# Allegro board BRD-05058-01_B04.brd (continued)
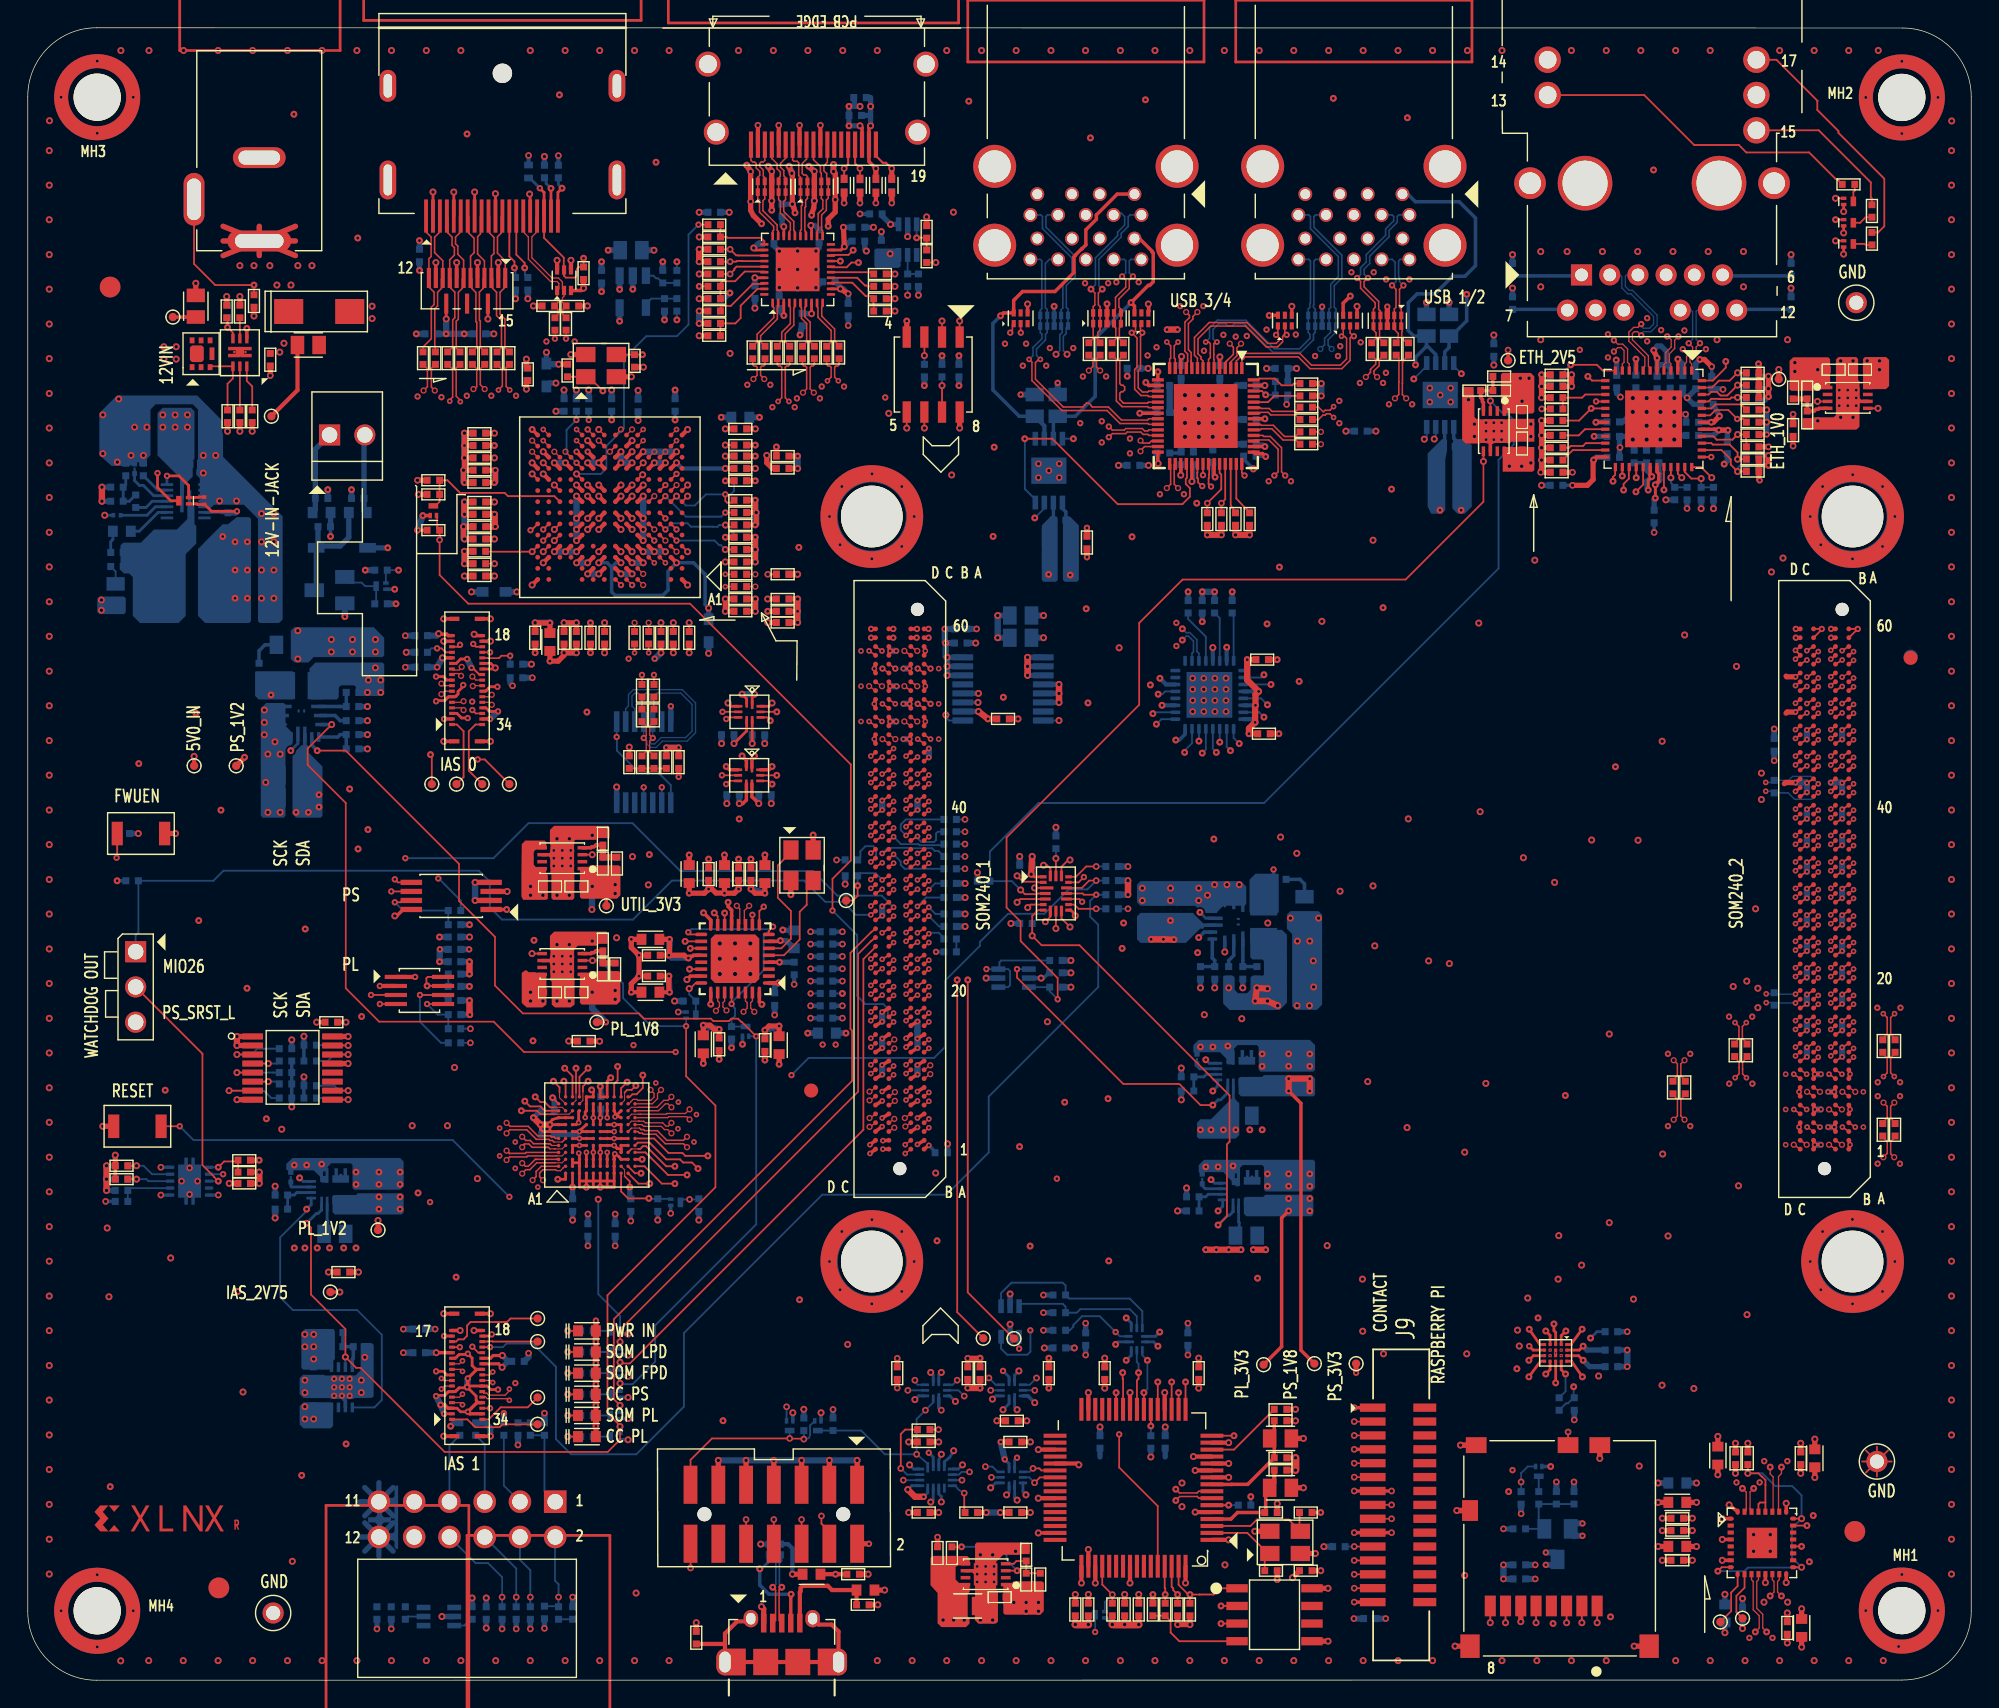
[diagram p0: board, top side]
## Text on the board (continued)
DISPLAY_BOTTOM: XXX-YYZZ | MADE IN XX | LAYERS | DIFF WIDTHS | DIFF SPACING | SE WIDTHS | FAB HOUSE TO ADD NAME TO TOP SIDE HERE: | FAB HOUSE TO ADD YEAR TO TOP SIDE HERE: | FAB HOUSE TO ADD WEEKS TO TOP SIDE HERE: | MUST BE IN EXPOSED COPPER | MAKE SURE THAT IT DOES NOT SHORT OUT ANYTHING ON THE BOARD | "XX" = COUNTRY CODE PER ISO 3166 | FAB VENDOR TO ADD MADE IN "XX" | MAINTENANCE AGENCY TO TOP SIDE | HERE: | LAYER 12 | BOTTOM | TOP | LAYER 3 | LAYER 5 | LAYER 10 | TRACE WIDTHS AND SPACINGS | TABLE 1 | 4.5 MILS | 4.4 MILS | 90 OHM DIFF | 5.4 MILS | 5.6 MILS | 5.2 MILS | 4 MILS | 50 OHMS | TABLE 2 | 3.7 MILS | 3.6 MILS | 100 OHM DIFF | 6.3 MILS | 6.4 MILS | 128-05058-01 | DATA PACK: aa | 20. IMPEDANCE LAYERS TO HAVE A TOL. OF +/-10%. | 14. 100% ELECTRICAL TEST REQUIRED FOR CONTINUITY. BOARD SHALL HAVE A | 11. FINISH: OSP PLATING. | 10. SOLDER MASK REGISTRATION TO BE WITHIN DIAMETRICAL TRUE POSITION OF + / - 0.002"WITH APPLICABLE | 15. ALL VIAS ACUTAL DRILL SIZE TO BE +.001/-.001 INCHES. | 17. DRILL SIZES LISTED IN LEGEND ARE CONSIDERED FINIHSED HOLE SIZES. | 12. SILKSCREEN USING WHITE RoHS COMPLIANT, HALOGEN FREE MATERIAL | 19. THE 37.4 MIL NPTH IS A DRILL ON PAD AND SHOULD MAINTAIN A +/- 1 MIL TOLERANCE (4 PLACES) | 13. VENDOR LOGO AND DATE CODE TO BE MARKED ON LAYER 1 TOPSIDE. | 16. ANY VIA WITH A FINISHED HOLE SIZE 12 MILS OR LESS MAY BE TREATED AS DRILL SIZE. | 18. ALL 7.1 MIL VIAS TO BE PLUGGED WITH SOLDERMASK. | 1. USE ARTWORK FROM JOB: 128-05058-01-REV-B04-aa | NOTES: (UNLESS OTHERWISE SPECIFIED) | THIS FAB SHOULD BE "RoHS COMPLIANT". | 2. PLEASE SEE INTENTIONAL SHORT LIST: 128-05058-01-REV-B04-aa_SHORTLIST | 3. THERE SHOULD BE NO OPEN NETS ON THIS DESIGN. | 5. FABRICATE TO IPC-A-600, CURRENT REVISION | 6. BOARD SHALL MEET THE INSPECTION CRITERIA OF | 7. SEE STACKUP DIAGRAM BELOW FOR MATERIAL. GLASS TRANSITION TEMPERATURE MUST MEET OR | 8. APPLY SOLDER MASK OVER BARE COPPER (SMOBC) IAW. IPC-SM-840, BOTH SIDES, USING LPI, COLOR GREEN | 9. LPI SOLDER MASK SHOULD BE RoHS COMPLIANT, HALOGEN FREE MATERIAL | 4. ODB++ USED FOR FAB MUST BE VERIFIED AGAINST THE PROVIDED IPC356 NETLIST. COPPER SLIVERS THAT ARE | EXCEED THE TEMPERATURE EXHIBITED WITH HIGH TEMPERATURE PROCESSES ASSOCIATED WITH LEAD FREE ASSEMBLY. | LESS THAN 0.003" IN WIDTH BETWEEN ANTI-PAD TO PLANE EDGE, ANTI-PAD TO SPLIT PLANE AND ANTI-PAD TO | FINISHED HOLE TOL. +0/- DRILL SIZE. HOLE CAN BE PLATED SHUT. | 0.003" COPPER WIDTH MUST BE ADDRESSED AND APPROVED IN WRITING BY SUPPLIER. | HOLE/PAD. | BOTH SIDES DISTORTION OF SILKSCREEN IS ACCEPTABLE  OVER TRACES.  EPOXY INK ON SOLDER LANDS IS | UL-RATING OF 94V-0. UL SYMBOL AND RATING SHALL BE MARKED SOLDER SIDE IN SILKSCREEN. | NO VIOLATION AFTER THE REMOVAL OF SLIVERS. ANY REQUIREMENT FOR SLIVER REMOVAL ABOVE OR EQUAL TO THE | NOT ACCEPTABLE. CLIP SILKSCREEN ON TOP OF ANY PAD OR VIA. | ANTI-PAD MUST BE REMOVED FROM THE MANUFACTURING ARTWORK. A NETLIST COMPARISON MUST BE PASSED WITH | ALL SPECIFIED TRACE WIDTHS ARE FINISHED TRACE WIDTHS. | a- ACCEPTABILITY AS PER IPC-A-600 (LATEST REVISION) CLASS II | b- QUALIFICATION AND PERFORMANCE AS PER IPC-6012 (LATEST REVISION)  CLASS II. | 27. JA1.1 AND JA2.1 ABSOLUTE POSITION TO BE 2622.5 MILS CENTER TO CENTER +/- 1 MIL | 29. THIEVING: DO NOT ADD COPPER THIEVING ON TOP LAYER OR BOTTOM LAYER. | 21. FOR IMPEDANCE DETAILS REFER TABLE NO 1,2 IN FAB DRAWING. | 22. FOR DRILL DETAILS REFER TO DRILL TABLES | 23. PLEASE SEE PANEL DRAWING FOR PANEL LAYOUT AND ASSEMBLY RAILS. THE PANEL LAYOUT AND | 24. TABS TO BE ROUTED OUT AFTER ASSEMBLY. | 25. BOARDS MAY NEED TO BE BAKED AFTER FABRICATION DUE TO PLATING AND MATERIAL TYPE. | 26. COPPER PLATING THICKNESS 1.3 MILS MINIMUM | 28. REMOVE ALL UNUSED PADS FROM INTERNAL LAYERS. | RAILS. PLEASE CONTACT XILINX BEFORE CHANGING. | THIEVING PATTERN IS TO BE 30 MIL SQUARE PADS. 50 MIL SPACING. | THIEVING TO BE ADDED ON INTERNAL LAYERS TO ACHIEVE BALANCED COPPER DENSITY. | ASSEMBLY RAILS SHOULD NOT BE CHANGED.IF THERE IS A ISSUE WITH THE PANEL LAYOUT AND ASSEMBLY | BALANCE OF COPPER IN UPPER AND LOWER HALFS OF THE BOARD TO BE WITHIN 1 SQ. MILLI-METER. | MAINTAIN 60 MILS CLEARANCE TO COPPER FEATURE. PLEASE PROVIDE A COPPER DENSITY REPORT BEFORE FAB. | 128-05058-01-REV-B04 | FABRICATION DRAWING | PCB,ROHS COMPLIANT
DIMENSION: 128-05058-01-REV-B04 | PCB ASSEMBLY | 128-05058-01 | DATA PACK: aa | NOTES: (UNLESS OTHERWISE SPECIFIED) | 3. REFERENCE SCHEMATIC (OR AVL) FOR BILL OF MATERIALS. | 4. INSTALL SHUNT AT J1 PINS 1-2 WHERE SHOWN. | 2. BAG AND TAG (OR MARK CONTAINER) WITH PART NUMBER. | 5. APPLY ADHESIVE BUMPERS, 4 PLACES CENTERED ON MH1, MH2, MH3 AND MH4 WHERE SHOWN BOTTOM SIDE. | 1. ASSEMBLE TO MEET INSPECTION CRITERIA OF | 6. APPLY SERIAL NUMBER LABEL ON BOTTOM SIDE WHERE SHOWN. REFER TO LABELLING DOCUMENT FOR DETAILS. | 7. ROUTE OUT ASSEMBLY TABS AFTER ASSEMBLY IS COMPLETE. | 8. FAB IS BOUND TO USE "SAC305" SOLDER PASTE FOR COMPONENT ASSEMBLY. | IPC-A-610, CLASS 2, CURRENT REVISION. | ENSURE BOARD EDGES ARE LEFT SMOOTH. | PRIMARY SIDE | SECONDARY SIDE
User.9: FIGURE | FINISHED_SIZE | 7.1 | 8.0 | 9.8 | 12.0 | 28.0 | 36.0 | 40.0 | 44.0 | 50.0 | 51.0 | 62.0 | 91.0 | 128.0 | 37.4 | 55.0 | 134.0 | 175.0 | 33.0x26.0 | 59.0x32.0 | 67.0x24.0 | 88.0x24.0 | 118.0x40.0 | 138.0x40.0 | TOOL_SIZE | - | ROTATION | 90.000 | 0.000 | DRILL CHART: TOP to BOTTOM | ALL UNITS ARE IN MILS | TOLERANCE_DRILL | +2.0/-2.0 | +3.0/-3.0 | +1.0/-1.0 | TOLERANCE_TRAVEL | PLATED | NON-PLATED | NONSTANDARD | QTY | 459 | 44 | 918 | 1322 | 40 | 36 | 12 | 3 | 17 | 5 | 4 | 2 | 8 | 1
User.10: FIGURE | FINISHED_SIZE | 10.0 | TOOL_SIZE | 9.8 | ROTATION | - | DRILL CHART: TOP to L03_SIG | ALL UNITS ARE IN MILS | TOLERANCE_DRILL | +2.0/-2.0 | TOLERANCE_TRAVEL | PLATED | NONSTANDARD | LASER | QTY | 123
User.11: * PLEASE FILL OUT AND ADD 2D BAR CODE HERE: | 2D BARCODE LEGEND | PCB VENDOR: V (FIRST LETTER OF FAB HOUSE) | PCB NUMBER: 128-05058-01 | PCB REVISION: REV-B04 | PCB DATECODE: YYWW | PCB supplier number: xxxxxxxxxxxxx | ROTATE IMAGE 180 DEGREES | ORIGIN ORIGIAL ARTWORK | 128-05058-01 | DATA PACK: aa | 128-05058-01-REV-B04 | PCB,ROHS COMPLIANT | PANEL DRAWING
User.12: FIGURE | FINISHED_SIZE | 10.0 | TOOL_SIZE | 9.8 | ROTATION | - | DRILL CHART: L12_SIG to BOTTOM | ALL UNITS ARE IN MILS | TOLERANCE_DRILL | +2.0/-2.0 | TOLERANCE_TRAVEL | PLATED | NONSTANDARD | LASER | QTY | 2
User.20: FIGURE | FINISHED_SIZE | 4.0 | TOOL_SIZE | - | ROTATION | DRILL CHART: TOP to L02_GND | ALL UNITS ARE IN MILS | TOLERANCE_DRILL | +2.0/-2.0 | TOLERANCE_TRAVEL | PLATED | NONSTANDARD | QTY | 5
